# Altium PCB PA_8CH_CTRL.PcbDoc (part 7 of 11)
Units mil, origin at the board's own origin, x right, y up, seen from the top; angles counter-clockwise.
Board outline 15354.33 x 4330.71 mil, 4 copper layers (Component Side, Signal Layer 1, Power Plane, Solder Side), stack 63.149 mil thick; 907 components, 557 nets, 2683 pads, 1897 vias.
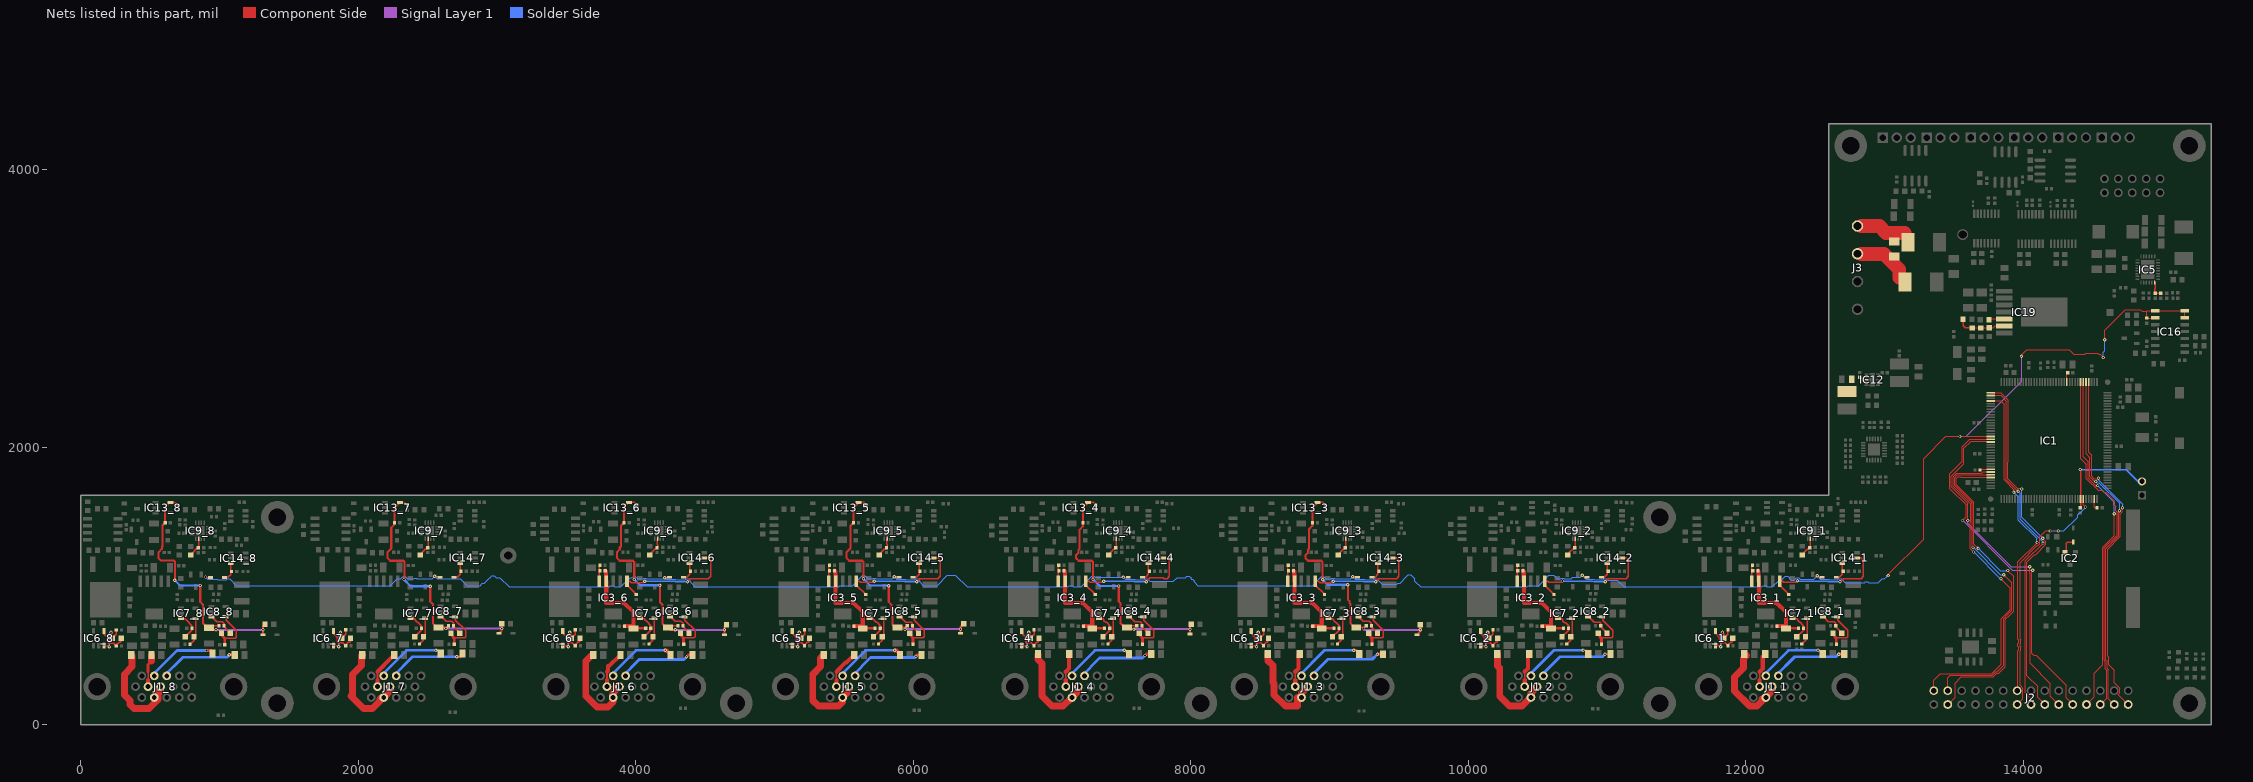
[diagram p9: the nets of this part, all layers, seen from the top]

## Via types
v1: diameter 23.62, hole 11.81, Component Side to Solder Side, tented both sides, 1569 vias
v2: diameter 23.62, hole 11.81, Component Side to Solder Side, 328 vias

## Nets (pads, with @x,y where several pads share a name; then routed paths per layer and width w, separated by ;. In a path a pad name is that pad's centre, name@x,y a point inside that pad or via, vN(x,y) a via of type N, cw(c..) or ccw(c..) an arc to the next point about the centre after c; other vN are vias at no path point) (continued)
NetC28_3_2: C28_3.2 D6_3.2 IC13_3.5 R38_3.1 R46_3.2 R86_3.2 R104_3.1 | length 1860.8
  Component Side w10: IC13_3.5@8913.31,1602.72 8949.53,1602.72 R86_3.2@8968.93,1583.32 ; R38_3.1@9192.72,702.09 9195.63,705 9255,705 R46_3.2@9255,705.79
  Component Side w15: IC13_3.5@8913.31,1602.72 8876.21,1565.62 R104_3.1@8876.21,1457.14 8876.21,1435.21 8851.92,1410.92 8851.92,1269.56 8843.3,1260.94 8843.3,1239.74 8826.29,1222.74 8826.29,1201.77 8845.04,1183.03 8940.04,1183.03 8947.95,1175.12 8947.95,1048.05 v1(8950,1046) ; v1(9132,1010) 9132,903 9144.5,890.5 9144.5,876.88 9150,871.38 9150,732 9179.91,702.09 R38_3.1@9192.72,702.09 ; D6_3.2@9629.8,649.76 9653.5,673.46 v1(9653.5,685) C28_3.2@9653.5,720
  Signal Layer 1 w15: v1(9245,695) 9245,690 9250,685 v1(9653.5,685)
  Solder Side w15: v1(8950,1046) 8986.17,1009.83 9131.83,1009.83 v1(9132,1010)
NetC28_4_2: C28_4.2 D6_4.2 IC13_4.5 R38_4.1 R46_4.2 R86_4.2 R104_4.1 | length 1908.6
  Component Side w10: IC13_4.5@7259.76,1602.72 7295.98,1602.72 R86_4.2@7315.38,1583.32 ; R38_4.1@7539.17,702.09 7552.09,715 R46_4.2@7610.67,715
  Component Side w15: IC13_4.5@7259.76,1602.72 7222.67,1565.62 R104_4.1@7222.67,1457.14 7222.67,1431.67 7198.37,1407.37 7198.37,1269.56 7189.75,1260.94 7189.75,1239.74 7172.75,1222.74 7172.75,1201.77 7191.49,1183.03 7286.5,1183.03 7295,1174.52 v1(7295,1049) ; v1(7481,1001) 7481,888.16 7494.5,874.66 7494.5,730.5 7522.91,702.09 R38_4.1@7539.17,702.09 7551.26,690 v1(7590,690) ; D6_4.2@7993.82,655 v1(7993.82,690) 7993.82,715.31 C28_4.2@8003.5,725
  Signal Layer 1 w15: v1(7590,690) v1(7993.82,690)
  Solder Side w15: v1(7295,1049) 7343,1001 v1(7481,1001)
NetC28_5_2: C28_5.2 D6_5.2 IC13_5.5 R38_5.1 R46_5.2 R86_5.2 R104_5.1 | length 1837.9
  Component Side w10: IC13_5.5@5606.22,1602.72 5642.44,1602.72 R86_5.2@5661.84,1583.32
  Component Side w15: IC13_5.5@5606.22,1602.72 5569.13,1565.62 R104_5.1@5569.13,1457.14 5548.69,1436.7 5548.69,1275.11 5519.21,1245.63 5519.21,1201.77 5537.95,1183.03 5632.95,1183.03 5640.86,1175.12 5640.86,1053.14 v1(5641,1053) ; v1(5823,1003) 5823,886.16 5842.5,866.66 5842.5,824.24 5849,817.74 5849,722 5868.91,702.09 R38_5.1@5885.63,702.09 5944.21,702.09 R46_5.2@5957.13,715 ; D6_5.2@6340.63,660.39 v1(6340.63,690) 6340.63,705.63 C28_5.2@6355,720
  Signal Layer 1 w15: v1(5940,690) v1(6340.63,690)
  Solder Side w15: v1(5641,1053) 5691,1003 v1(5823,1003)
NetC28_6_2: C28_6.2 D6_6.2 IC13_6.5 R38_6.1 R46_6.2 R86_6.2 R104_6.1 | length 1871.1
  Component Side w10: IC13_6.5@3952.68,1602.72 3988.9,1602.72 R86_6.2@4008.3,1583.32 ; R38_6.1@4232.09,702.09 4245,715 R46_6.2@4303.58,715
  Component Side w15: IC13_6.5@3952.68,1602.72 3943.72,1602.72 3915,1574 3915,1457.72 R104_6.1@3915.58,1457.14 3894,1435.56 3894,1285.85 3884.59,1276.44 3884.59,1264.55 3865.66,1245.63 3865.66,1201.77 3884.41,1183.03 3979.41,1183.03 3989,1173.44 v1(3989,1048) ; v1(4174,1006) 4174,885.16 4192.42,866.74 4192.42,729.58 4219.91,702.09 R38_6.1@4232.09,702.09 4249.17,685 v1(4285,685) ; D6_6.2@4638.82,650 v1(4638.82,685) 4638.82,705.31 C28_6.2@4653.5,720
  Signal Layer 1 w15: v1(4285,685) v1(4638.82,685)
  Solder Side w15: v1(3989,1048) 4031,1006 v1(4174,1006)
NetC28_7_2: C28_7.2 D6_7.2 IC13_7.5 R38_7.1 R46_7.2 R86_7.2 R104_7.1 | length 1867.1
  Component Side w10: IC13_7.5@2299.13,1602.72 2300.32,1601.53 2336.54,1601.53 R86_7.2@2354.75,1583.32 ; R38_7.1@2578.54,702.09 2637.13,702.09 R46_7.2@2650.04,715
  Component Side w15: IC13_7.5@2299.13,1602.72 2262.04,1565.62 R104_7.1@2262.04,1457.14 2262.04,1446.04 2237.74,1421.74 2237.74,1271.25 2212.12,1245.63 2212.12,1201.77 2230.86,1183.03 2325.87,1183.03 2333.78,1175.12 2333.78,1051.78 v1(2330,1048) ; v1(2519,999) 2519,889 2530.5,877.5 2530.5,876.71 2537.88,869.33 2537.88,733.12 2568.91,702.09 R38_7.1@2578.54,702.09 ; v1@2630.04,695 v1@2637.13,702.09 ; D6_7.2@3013.82,660 3033.5,679.69 v1(3033.5,695) C28_7.2@3033.5,730
  Signal Layer 1 w15: v1(2630,695) v1(3033.5,695)
  Solder Side w15: v1(2330,1048) 2379,999 v1(2519,999)
NetC28_8_2: C28_8.2 D6_8.2 IC13_8.5 R38_8.1 R46_8.2 R86_8.2 R104_8.1 | length 1959.9
  Component Side w10: IC13_8.5@645.59,1601.57 681.81,1601.57 R86_8.2@701.21,1582.18 ; 677.73,1147 677.73,1043.27 v1(678,1043) ; R38_8.1@925,700.94 937.91,713.86 R46_8.2@996.5,713.86
  Component Side w15: IC13_8.5@645.59,1601.57 637.57,1601.57 623.89,1587.89 623.89,1586.12 608.5,1570.73 R104_8.1@608.5,1456 589,1436.5 589,1286.8 584.2,1282 584.2,1268.42 561.08,1245.3 561.08,1201.13 576.52,1185.69 668.52,1185.69 680.23,1173.98 680.23,1045.23 v1(678,1043) ; v1(861,1004) 861.27,1003.73 861.27,887.01 881.33,866.95 881.33,732.67 913.06,700.94 R38_8.1@925,700.94 940.94,685 v1(975,685) ; D6_8.2@1313.15,648.98 v1(1313.15,685) 1313.15,709.65 C28_8.2@1328.5,725
  Signal Layer 1 w15: v1(975,685) v1(1313.15,685)
  Solder Side w15: v1(678,1043) 717,1004 v1(861,1004)
NetC38_1_1: C38_1.1 IC6_1.4 R43_1.1 | length 236.3
  Component Side w10: IC6_1.4@11781.57,676.18 11781.57,659.09 11808.98,631.69 11808.98,599.1 11817.76,590.31 11850.35,590.31 R43_1.1@11870.67,570 11870.67,577.83 11890.05,597.2 11897.87,597.2 11905.67,605 C38_1.1@11905.67,625
NetC38_1_2: C38_1.2 IC6_1.3 R44_1.1 | length 276.2
  Component Side w10: IC6_1.3@11781.57,573.82 11785.08,570.31 11820,570.31 11820.17,570.14 v1(11820.17,563.14) ; v1(11832.17,668.14) 11842.68,657.64 C38_1.2@11842.68,625 11870.67,652.99 R44_1.1@11870.67,685
  Solder Side w10: v1(11820.17,563.14) 11820.17,656.14 v1(11832.17,668.14)
NetC38_2_1: C38_2.1 IC6_2.4 R43_2.1 | length 236.3
  Component Side w10: IC6_2.4@10088.66,676.18 10088.66,659.09 10116.06,631.69 10116.06,599.1 10124.85,590.31 10157.44,590.31 R43_2.1@10177.76,570 10177.76,577.83 10197.13,597.2 10204.96,597.2 10212.76,605 C38_2.1@10212.76,625
NetC38_2_2: C38_2.2 IC6_2.3 R44_2.1 | length 276.2
  Component Side w10: IC6_2.3@10088.66,573.82 10092.17,570.31 10127.09,570.31 10127.26,570.14 v1(10127.26,563.14) ; v1(10139.26,668.14) 10149.76,657.64 C38_2.2@10149.76,625 10177.76,652.99 R44_2.1@10177.76,685
  Solder Side w10: v1(10127.26,563.14) 10127.26,656.14 v1(10139.26,668.14)
NetC38_3_1: C38_3.1 IC6_3.4 R43_3.1 | length 236.3
  Component Side w10: IC6_3.4@8435.12,676.18 8435.12,659.09 8462.52,631.69 8462.52,599.1 8471.31,590.31 8503.9,590.31 R43_3.1@8524.21,570 8524.21,577.83 8543.59,597.2 8551.42,597.2 8559.21,605 C38_3.1@8559.21,625
NetC38_3_2: C38_3.2 IC6_3.3 R44_3.1 | length 276.2
  Component Side w10: IC6_3.3@8435.12,573.82 8438.62,570.31 8473.54,570.31 8473.72,570.14 v1(8473.72,563.14) ; v1(8485.72,668.14) 8496.22,657.64 C38_3.2@8496.22,625 8524.21,652.99 R44_3.1@8524.21,685
  Solder Side w10: v1(8473.72,563.14) 8473.72,656.14 v1(8485.72,668.14)
NetC38_4_1: C38_4.1 IC6_4.4 R43_4.1 | length 236.3
  Component Side w10: IC6_4.4@6781.57,676.18 6781.57,659.09 6808.98,631.69 6808.98,599.1 6817.76,590.31 6850.35,590.31 R43_4.1@6870.67,570 6870.67,577.83 6890.05,597.2 6897.87,597.2 6905.67,605 C38_4.1@6905.67,625
NetC38_4_2: C38_4.2 IC6_4.3 R44_4.1 | length 276.2
  Component Side w10: IC6_4.3@6781.57,573.82 6785.08,570.31 6820,570.31 6820.17,570.14 v1(6820.17,563.14) ; v1(6832.17,668.14) 6842.68,657.64 C38_4.2@6842.68,625 6870.67,652.99 R44_4.1@6870.67,685
  Solder Side w10: v1(6820.17,563.14) 6820.17,656.14 v1(6832.17,668.14)
NetC38_5_1: C38_5.1 IC6_5.4 R43_5.1 | length 236.3
  Component Side w10: IC6_5.4@5128.03,676.18 5128.03,659.09 5155.43,631.69 5155.43,599.1 5164.22,590.31 5196.81,590.31 R43_5.1@5217.13,570 5217.13,577.83 5236.5,597.2 5244.33,597.2 5252.13,605 C38_5.1@5252.13,625
NetC38_5_2: C38_5.2 IC6_5.3 R44_5.1 | length 276.2
  Component Side w10: IC6_5.3@5128.03,573.82 5131.54,570.31 5166.46,570.31 5166.63,570.14 v1(5166.63,563.14) ; v1(5178.63,668.14) 5189.13,657.64 C38_5.2@5189.13,625 5217.13,652.99 R44_5.1@5217.13,685
  Solder Side w10: v1(5166.63,563.14) 5166.63,656.14 v1(5178.63,668.14)
NetC38_6_1: C38_6.1 IC6_6.4 R43_6.1 | length 236.3
  Component Side w10: IC6_6.4@3474.49,676.18 3474.49,659.09 3501.89,631.69 3501.89,599.1 3510.68,590.31 3543.27,590.31 R43_6.1@3563.58,570 3563.58,577.83 3582.96,597.2 3590.79,597.2 3598.58,605 C38_6.1@3598.58,625
NetC38_6_2: C38_6.2 IC6_6.3 R44_6.1 | length 276.2
  Component Side w10: IC6_6.3@3474.49,573.82 3477.99,570.31 3512.91,570.31 3513.09,570.14 v1(3513.09,563.14) ; v1(3525.09,668.14) 3535.59,657.64 C38_6.2@3535.59,625 3563.58,652.99 R44_6.1@3563.58,685
  Solder Side w10: v1(3513.09,563.14) 3513.09,656.14 v1(3525.09,668.14)
NetC38_7_1: C38_7.1 IC6_7.4 R43_7.1 | length 236.3
  Component Side w10: IC6_7.4@1820.95,676.18 1820.95,659.09 1848.35,631.69 1848.35,599.1 1857.13,590.31 1889.72,590.31 R43_7.1@1910.04,570 1910.04,577.83 1929.42,597.2 1937.24,597.2 1945.04,605 C38_7.1@1945.04,625
NetC38_7_2: C38_7.2 IC6_7.3 R44_7.1 | length 276.2
  Component Side w10: IC6_7.3@1820.95,573.82 1824.45,570.31 1859.37,570.31 1859.54,570.14 v1(1859.54,563.14) ; v1(1871.54,668.14) 1882.05,657.64 C38_7.2@1882.05,625 1910.04,652.99 R44_7.1@1910.04,685
  Solder Side w10: v1(1859.54,563.14) 1859.54,656.14 v1(1871.54,668.14)
NetC38_8_1: C38_8.1 IC6_8.4 R43_8.1 | length 236.3
  Component Side w10: IC6_8.4@167.4,675.04 167.4,657.95 194.8,630.55 194.8,597.96 203.59,589.17 236.18,589.17 R43_8.1@256.5,568.86 256.5,576.69 275.87,596.06 283.7,596.06 291.5,603.86 C38_8.1@291.5,623.86
NetC38_8_2: C38_8.2 IC6_8.3 R44_8.1 | length 276.2
  Component Side w10: IC6_8.3@167.4,572.68 170.91,569.17 205.83,569.17 206,569 v1(206,562) ; v1(218,667) 228.5,656.5 C38_8.2@228.5,623.86 256.5,651.85 R44_8.1@256.5,683.86
  Solder Side w10: v1(206,562) 206,655 v1(218,667)
NetC40_1_1: C40_1.1 IC8_1.3 R46_1.1 | length 205.4
  Component Side w10: IC8_1.3@12560.72,777.6 12595.13,743.19 12636.13,743.19 12647.68,731.64 R46_1.1@12647.68,715 12647.68,706.64 12690.67,663.65 C40_1.1@12690.67,650
NetC40_1_2: C40_1.2 IC8_1.4 R47_1.1 | length 362.5
  Component Side w10: 12651.97,625.71 12642.24,625.71 12641.49,626.46 12651.22,626.46 12726.72,626.46 12734.17,633.9 12734.17,682.14 12661.1,755.21 12661.1,771.21 IC8_1.4@12654.72,777.6
  Component Side w20: C40_1.2@12627.68,650 12651.22,626.46 ; 12651.97,625.71 12651.97,580.71 R47_1.1@12652.68,580
NetC40_2_1: C40_2.1 IC8_2.3 R46_2.1 | length 205.4
  Component Side w10: IC8_2.3@10867.8,777.6 10906.21,739.19 10947.21,739.19 10954.76,731.64 R46_2.1@10954.76,715 10954.76,706.64 10997.76,663.65 C40_2.1@10997.76,650
NetC40_2_2: C40_2.2 IC8_2.4 R47_2.1 | length 362.5
  Component Side w10: 10959.06,625.71 10949.32,625.71 10948.57,626.46 10958.31,626.46 11033.81,626.46 11041.26,633.9 11041.26,682.14 10968.19,755.21 10968.19,771.21 IC8_2.4@10961.8,777.6
  Component Side w20: C40_2.2@10934.76,650 10958.31,626.46 ; 10959.06,625.71 10959.06,580.71 R47_2.1@10959.76,580
NetC40_3_1: C40_3.1 IC8_3.3 R46_3.1 | length 207.9
  Component Side w10: IC8_3.3@9214.26,777.6 9214.26,773.48 9242.55,745.19 9287.67,745.19 9301.22,731.64 R46_3.1@9301.22,715 9301.22,706.64 9344.21,663.65 C40_3.1@9344.21,650
NetC40_3_2: C40_3.2 IC8_3.4 R47_3.1 | length 362.5
  Component Side w10: 9305.51,625.71 9295.78,625.71 9295.03,626.46 9304.76,626.46 9380.27,626.46 9387.72,633.9 9387.72,682.14 9314.65,755.21 9314.65,771.21 IC8_3.4@9308.26,777.6
  Component Side w20: C40_3.2@9281.22,650 9304.76,626.46 ; 9305.51,625.71 9305.51,580.71 R47_3.1@9306.22,580
NetC40_4_1: C40_4.1 IC8_4.3 R46_4.1 | length 205.4
  Component Side w10: IC8_4.3@7560.72,777.6 7595.13,743.19 7636.13,743.19 7647.68,731.64 R46_4.1@7647.68,715 7647.68,706.64 7690.67,663.65 C40_4.1@7690.67,650
NetC40_4_2: C40_4.2 IC8_4.4 R47_4.1 | length 362.5
  Component Side w10: 7651.97,625.71 7642.24,625.71 7641.49,626.46 7651.22,626.46 7726.72,626.46 7734.17,633.9 7734.17,682.14 7661.1,755.21 7661.1,771.21 IC8_4.4@7654.72,777.6
  Component Side w20: C40_4.2@7627.68,650 7651.22,626.46 ; 7651.97,625.71 7651.97,580.71 R47_4.1@7652.68,580
NetC40_5_1: C40_5.1 IC8_5.3 R46_5.1 | length 205.5
  Component Side w10: IC8_5.3@5907.17,777.57 5945.55,739.19 5986.58,739.19 5994.13,731.64 R46_5.1@5994.13,715 5994.13,706.64 6037.13,663.65 C40_5.1@6037.13,650
NetC40_5_2: C40_5.2 IC8_5.4 R47_5.1 | length 362.5
  Component Side w10: 5998.43,625.71 5988.69,625.71 5987.94,626.46 5997.68,626.46 6073.18,626.46 6080.63,633.9 6080.63,682.14 6007.56,755.21 6007.56,771.21 IC8_5.4@6001.17,777.6
  Component Side w20: C40_5.2@5974.13,650 5997.68,626.46 ; 5998.43,625.71 5998.43,580.71 R47_5.1@5999.13,580
NetC40_6_1: C40_6.1 IC8_6.3 R46_6.1 | length 205.4
  Component Side w10: IC8_6.3@4253.63,777.6 4284.04,747.19 4325.04,747.19 4340.59,731.64 R46_6.1@4340.59,715 4340.59,706.64 4383.58,663.65 C40_6.1@4383.58,650
NetC40_6_2: C40_6.2 IC8_6.4 R47_6.1 | length 362.5
  Component Side w10: 4344.88,625.71 4335.15,625.71 4334.4,626.46 4344.13,626.46 4419.64,626.46 4427.09,633.9 4427.09,682.14 4354.02,755.21 4354.02,771.21 IC8_6.4@4347.63,777.6
  Component Side w20: C40_6.2@4320.59,650 4344.13,626.46 ; 4344.88,625.71 4344.88,580.71 R47_6.1@4345.59,580
NetC40_7_1: C40_7.1 IC8_7.3 R46_7.1 | length 205.4
  Component Side w10: IC8_7.3@2600.09,777.6 2632.5,745.19 2673.5,745.19 2687.05,731.64 R46_7.1@2687.05,715 2687.05,706.64 2730.04,663.65 C40_7.1@2730.04,650
NetC40_7_2: C40_7.2 IC8_7.4 R47_7.1 | length 362.5
  Component Side w10: 2691.34,625.71 2681.61,625.71 2680.86,626.46 2690.59,626.46 2766.1,626.46 2773.54,633.9 2773.54,682.14 2700.47,755.21 2700.47,771.21 IC8_7.4@2694.09,777.6
  Component Side w20: C40_7.2@2667.05,650 2690.59,626.46 ; 2691.34,625.71 2691.34,580.71 R47_7.1@2692.05,580
NetC40_8_1: C40_8.1 IC8_8.3 R46_8.1 | length 205.4
  Component Side w10: IC8_8.3@946.54,776.46 978.81,744.19 1019.81,744.19 1033.5,730.5 R46_8.1@1033.5,713.86 1033.5,705.5 1076.5,662.5 C40_8.1@1076.5,648.86
NetC40_8_2: C40_8.2 IC8_8.4 R47_8.1 | length 362.5
  Component Side w10: 1037.8,624.57 1028.06,624.57 1027.31,625.31 1037.05,625.31 1112.55,625.31 1120,632.76 1120,681 1046.93,754.07 1046.93,770.07 IC8_8.4@1040.54,776.46
  Component Side w20: C40_8.2@1013.5,648.86 1037.05,625.31 ; 1037.8,624.57 1037.8,579.57 R47_8.1@1038.5,578.86
NetC41_1_1: C41_1.1 IC7_1.4 R48_1.1 | length 201.6
  Component Side w10: R48_1.1@12402.76,582.91 12430.51,610.67 C41_1.1@12430.51,635.08 12441.97,646.54 12441.97,765.98 IC7_1.4@12440.35,767.6
NetC41_1_2: C41_1.2 IC7_1.3 R49_1.1 | length 202.3
  Component Side w10: IC7_1.3@12337.99,767.6 12363.72,767.6 12374.19,757.13 12374.19,752.55 12387.55,739.19 12392.13,739.19 12415.55,715.76 R49_1.1@12415.55,697.14 ; C41_1.2@12367.52,635.08 12415.68,683.24 R49_1.1@12415.68,697.14
NetC41_2_1: C41_2.1 IC7_2.4 R48_2.1 | length 201.6
  Component Side w10: R48_2.1@10709.84,582.91 10737.6,610.67 C41_2.1@10737.6,635.08 10749.06,646.54 10749.06,765.98 IC7_2.4@10747.44,767.6
NetC41_2_2: C41_2.2 IC7_2.3 R49_2.1 | length 204.1
  Component Side w10: IC7_2.3@10645.08,767.6 10670.8,767.6 10682.19,756.21 10682.19,748.55 10695.55,735.19 10703.21,735.19 10722.64,715.76 R49_2.1@10722.64,697.14 ; C41_2.2@10674.61,635.08 10722.76,683.24 R49_2.1@10722.76,697.14
NetC41_3_1: C41_3.1 IC7_3.4 R48_3.1 | length 201.6
  Component Side w10: R48_3.1@9056.3,582.91 9084.06,610.67 C41_3.1@9084.06,635.08 9095.51,646.54 9095.51,765.98 IC7_3.4@9093.9,767.6
NetC41_3_2: C41_3.2 IC7_3.3 R49_3.1 | length 200.9
  Component Side w10: IC7_3.3@8991.54,767.6 9017.26,767.6 9025.19,759.67 9025.19,757.55 9038.55,744.19 9040.67,744.19 9069.09,715.76 R49_3.1@9069.09,697.14 ; C41_3.2@9021.06,635.08 9069.22,683.24 R49_3.1@9069.22,697.14
NetC41_4_1: C41_4.1 IC7_4.4 R48_4.1 | length 201.6
  Component Side w10: R48_4.1@7402.76,582.91 7430.51,610.67 C41_4.1@7430.51,635.08 7441.97,646.54 7441.97,765.98 IC7_4.4@7440.35,767.6
NetC41_4_2: C41_4.2 IC7_4.3 R49_4.1 | length 202.9
  Component Side w10: IC7_4.3@7337.99,767.6 7363.72,767.6 7374.19,757.13 7374.19,751.55 7387.55,738.19 7393.13,738.19 7415.55,715.76 R49_4.1@7415.55,697.14 ; C41_4.2@7367.52,635.08 7415.68,683.24 R49_4.1@7415.68,697.14
NetC41_5_1: C41_5.1 IC7_5.4 R48_5.1 | length 201.6
  Component Side w10: R48_5.1@5749.21,582.91 5776.97,610.67 C41_5.1@5776.97,635.08 5788.43,646.54 5788.43,765.98 IC7_5.4@5786.81,767.6
NetC41_5_2: C41_5.2 IC7_5.3 R49_5.1 | length 202
  Component Side w10: IC7_5.3@5684.45,767.6 5710.17,767.6 5712.19,765.58 5712.19,760.55 5734.55,738.19 5738.55,738.19 5762.01,714.73 R49_5.1@5762.01,697.14 ; C41_5.2@5713.98,635.08 5762.13,683.24 R49_5.1@5762.13,697.14
NetC41_6_1: C41_6.1 IC7_6.4 R48_6.1 | length 201.6
  Component Side w10: R48_6.1@4095.67,582.91 4123.43,610.67 C41_6.1@4123.43,635.08 4134.88,646.54 4134.88,765.98 IC7_6.4@4133.27,767.6
NetC41_6_2: C41_6.2 IC7_6.3 R49_6.1 | length 200.5
  Component Side w10: IC7_6.3@4030.91,767.6 4056.63,767.6 4064.19,760.04 4064.19,758.55 4077.55,745.19 4079.04,745.19 4108.46,715.76 R49_6.1@4108.46,697.14 ; C41_6.2@4060.43,635.08 4108.59,683.24 R49_6.1@4108.59,697.14
NetC41_7_1: C41_7.1 IC7_7.4 R48_7.1 | length 201.6
  Component Side w10: R48_7.1@2442.13,582.91 2469.88,610.67 C41_7.1@2469.88,635.08 2481.34,646.54 2481.34,765.98 IC7_7.4@2479.72,767.6
NetC41_7_2: C41_7.2 IC7_7.3 R49_7.1 | length 202
  Component Side w10: IC7_7.3@2377.36,767.6 2403.09,767.6 2412.19,758.5 2412.19,754.55 2425.55,741.19 2429.5,741.19 2454.92,715.76 R49_7.1@2454.92,697.14 ; C41_7.2@2406.89,635.08 2455.05,683.24 R49_7.1@2455.05,697.14
NetC41_8_1: C41_8.1 IC7_8.4 R48_8.1 | length 201.6
  Component Side w10: R48_8.1@788.58,581.77 816.34,609.53 C41_8.1@816.34,633.94 827.8,645.39 827.8,764.84 IC7_8.4@826.18,766.46
NetC41_8_2: C41_8.2 IC7_8.3 R49_8.1 | length 199.7
  Component Side w10: IC7_8.3@723.82,766.46 749.54,766.46 763.19,752.81 763.19,752.55 801.38,714.36 R49_8.1@801.38,696 ; C41_8.2@753.35,633.94 801.5,682.09 R49_8.1@801.5,696
NetC48_1_2: C48_1.2 IC9_1.14 R56_1.2 | length 152.1
  Component Side w10: R56_1.2@12403.17,1228.02 12403.17,1223.65 12432.97,1253.44 12435.76,1253.44 12436.97,1254.65 12436.97,1259.19 12443.41,1265.63 12447.94,1265.63 C48_1.2@12460.17,1277.86 ; C48_1.2@12459.67,1278.36 12464.33,1283.02 12464.33,1302.41 12464.19,1302.55 12464.19,1341.79 IC9_1.14@12464.33,1341.93
NetC48_2_2: C48_2.2 IC9_2.14 R56_2.2 | length 153
  Component Side w10: R56_2.2@10710.26,1228.02 10710.26,1223.65 10740.06,1253.44 10742.84,1253.44 10744.06,1254.65 10744.06,1259.19 10750.5,1265.63 10755.03,1265.63 C48_2.2@10767.26,1277.86 ; C48_2.2@10766.76,1278.36 10771.42,1283.02 10771.42,1304.32 10770.19,1305.55 10770.19,1340.7 IC9_2.14@10771.42,1341.93
NetC48_3_2: C48_3.2 IC9_3.14 R56_3.2 | length 154.2
  Component Side w10: R56_3.2@9056.72,1228.02 9056.72,1223.65 9086.51,1253.44 9089.3,1253.44 9090.51,1254.65 9090.51,1259.19 9096.96,1265.63 9101.49,1265.63 C48_3.2@9113.72,1277.86 ; C48_3.2@9113.22,1278.36 9117.87,1283.02 9117.87,1299.87 9115.19,1302.55 9115.19,1339.24 IC9_3.14@9117.87,1341.93
NetC48_4_2: C48_4.2 IC9_4.14 R56_4.2 | length 154.6
  Component Side w10: R56_4.2@7403.17,1228.02 7403.17,1223.65 7432.97,1253.44 7435.76,1253.44 7436.97,1254.65 7436.97,1259.19 7443.41,1265.63 7447.94,1265.63 C48_4.2@7460.17,1277.86 ; C48_4.2@7459.67,1278.36 7464.33,1283.02 7464.33,1303.41 7461.19,1306.55 7461.19,1338.79 IC9_4.14@7464.33,1341.93
NetC48_5_2: C48_5.2 IC9_5.14 R56_5.2 | length 152.5
  Component Side w10: R56_5.2@5749.63,1228.02 5749.63,1223.65 5779.43,1253.44 5782.21,1253.44 5783.43,1254.65 5783.43,1259.19 5789.87,1265.63 5794.4,1265.63 C48_5.2@5806.63,1277.86 ; C48_5.2@5806.13,1278.36 5810.79,1283.02 5810.79,1300.95 5810.19,1301.55 5810.19,1341.33 IC9_5.14@5810.79,1341.93
NetC48_6_2: C48_6.2 IC9_6.14 R56_6.2 | length 152.9
  Component Side w10: R56_6.2@4096.09,1228.02 4096.09,1223.65 4125.88,1253.44 4128.67,1253.44 4129.88,1254.65 4129.88,1259.19 4136.33,1265.63 4140.86,1265.63 C48_6.2@4153.09,1277.86 ; C48_6.2@4152.59,1278.36 4157.24,1283.02 4157.24,1298.5 4156.19,1299.55 4156.19,1340.87 IC9_6.14@4157.24,1341.93
NetC48_7_2: C48_7.2 IC9_7.14 R56_7.2 | length 152
  Component Side w10: R56_7.2@2442.54,1228.02 2442.54,1223.65 2472.34,1253.44 2475.13,1253.44 2476.34,1254.65 2476.34,1259.19 2482.78,1265.63 2487.32,1265.63 C48_7.2@2499.54,1277.86 ; C48_7.2@2499.04,1278.36 2503.7,1283.02 IC9_7.14@2503.7,1341.93
NetC48_8_2: C48_8.2 IC9_8.14 R56_8.2 | length 152
  Component Side w10: R56_8.2@789,1226.88 789,1222.5 820.01,1253.51 822.8,1253.51 822.8,1258.04 829.24,1264.49 833.77,1264.49 C48_8.2@846,1276.72 ; C48_8.2@845.5,1277.22 850.16,1281.87 IC9_8.14@850.16,1340.79
NetC57_2: C57.2 C58.2 IC12.2 IC12.3 L1.2
NetC62_2: C62.2 IC5.14 R20.2 | length 118.9
  Component Side w10: IC5.14@14946.07,3187.12 14949.2,3183.99 14949.2,3142.63 14946.07,3139.5 14946.07,3117.11 C62.2@14951.86,3111.32 14989.65,3111.32 R20.2@14989.86,3111.11
NetC70_2: C70.2 IC19.5 | length 111.9
  Component Side w6: C70.2@13752.95,2921.06 13757.09,2925.2 IC19.5@13863.19,2925.2
NetC71_1: C71.1 C72.1 IC19.6 R30.1 R31.2 | length 357.6
  Component Side w6: C71.1@13632.87,2861.02 13783.27,2861.02 13799.21,2876.97 13861.42,2876.97 IC19.6@13863.19,2875.2
  Component Side w10: R31.2@13565.94,2922.24 13565.94,2875 13579.92,2861.02 C71.1@13632.87,2861.02
NetC73_1: C73.1 J3.2 L5.1 | length 379.8
  Component Side w100: J3.2@12833,3394 12994.78,3394 13105.81,3282.97 L5.1@13105.81,3221.95
NetC73_2: C73.2 J3.1 L4.1 | length 330.2
  Component Side w100: J3.1@12833,3594 12963,3594 13011.28,3545.72 13143.16,3545.72
NetD2_1_1: D2_1.1 D2_2.1 D2_3.1 D2_4.1 D2_5.1 D2_6.1 D2_7.1 D2_8.1 IC1.89 IC16.1 IC16.2 IC16.13 IC16.14 R92.2 | length 17250.1
  Component Side w6: v1(899,1066) 902.8,1062.2 D2_8.1@934.96,1062.2 ; v1(2552,1072) 2582,1072 D2_7.1@2584,1070 ; D2_7.1@2587,1064.85 D2_7.1@2588.5,1063.35 ; v1(4209,1061) 4239.7,1061 D2_6.1@4242.05,1063.35 ; v1(5863,1067) 5891.94,1067 D2_5.1@5895.59,1063.35 ; v1(7513,1065) 7547.48,1065 D2_4.1@7549.13,1063.35 ; v1(9168,1067) 9199.02,1067 D2_3.1@9202.68,1063.35 ; v1(10820.67,1078.33) 10829,1070 D2_2.1@10850,1070 ; v1(12514,1074) 12524.65,1063.35 D2_1.1@12549.13,1063.35 ; v1(13026,1076) 13026,1084 13281,1339 13281,1919 13440.53,2078.53 v1(13543,2078.53) IC1.89@13764.74,2078.53 ; v1(13986.19,2657.47) 13986.19,2665.05 14025.59,2704.45 14329.62,2704.45 14363.87,2670.2 14441.93,2670.2 14450.01,2678.29 14535.69,2678.29 14543.2,2670.78 14553.63,2670.78 14572.54,2651.87 14572.54,2643.4 v1(14576.77,2647.64) ; v2(14586.61,2775.59) 14586.61,2844.49 14734.25,2992.13 14842.52,2992.13 14855.48,2979.17 14888.78,2979.17 ; IC16.2@14949.77,2934.63 14947.03,2931.89 R92.2@14888.78,2931.89 14888.78,2979.17 ; IC16.13@15162.37,2934.63 IC16.14@15162.37,2984.63 IC16.1@14949.77,2984.63 14894.24,2984.63 14888.78,2979.17